# Allegro board SG2042_EVB_V1_1.brd (continued)
## Routing (per net, layer and track width the routed paths; a pad name or vN(x,y) marks a point on that pad's centre or on a via; arc(x,y) is an arc through that point) (continued)
  ART03 w0.147: 135.14,76.65 135.14,63.97 132.92,61.75 132.92,60.76 105.09,32.93 105.09,30.79 97.23,22.94 46.45,22.94 29.16,40.23 24.8,40.23 22.8,42.23 16.63,42.23 16.05,42.81 16.05,44.15 16.47,44.57 16.98,44.57 17.12,44.7
PCIE1_TXP[14]: length 2.2
  TOP w0.152: J1104.B74 20.08,40.7 C438.2
PCIE1_TXP[14]_L: length 171.2
  TOP w0.254: 17.12,40.7 C438.1
  ART03 w0.112: 136.14,76.65 136.14,76.67 136.07,76.75 136.07,84.1 136.18,84.21 136.36,84.21 136.47,84.1 U1.BL27
  ART03 w0.147: 136.14,76.65 136.14,63.23 134.15,61.24 134.15,60.25 106.31,32.42 106.31,30.29 97.74,21.71 43.68,21.71 29.16,36.23 24.8,36.23 22.8,38.23 16.63,38.23 16.05,38.81 16.05,40.15 16.47,40.57 16.98,40.57 17.12,40.7
PCIE1_TXP[15]: length 2.2
  TOP w0.152: C442.2 20.08,36.7 J1104.B78
PCIE1_TXP[15]_L: length 174.2
  TOP w0.254: 17.12,36.7 C442.1
  ART03 w0.112: U1.BJ28 137.47,86.1 137.36,86.21 137.18,86.21 137.07,86.1 137.07,76.75 137.14,76.67 137.14,76.65
  ART03 w0.147: 17.12,36.7 16.98,36.57 16.47,36.57 16.05,36.15 16.05,34.31 16.63,33.73 23.72,33.73 25.72,31.73 31.29,31.73 42.54,20.48 98.25,20.48 107.54,29.78 107.54,31.91 135.38,59.74 135.38,60.73 137.14,62.5 137.14,76.65
PCIE_CLK_3.3V: length 52.5
  TOP w0.254: U17.35 v1(140.14,15.85) ; U17.12 v1(142.14,22.96) ; R272.1 v1(136.86,5.41) R276.2 ; v1(134.98,13.21) C1156.2 Y2.6 ; U17.39 v1(142.14,15.85) ; U17.6 v1(143.94,19.66) ; U17.28 v1(136.83,18.16) ; U17.37 v1(141.14,15.85) ; U17.3 v1(143.94,18.16) ; U17.25 v1(136.83,19.66) ; U17.32 v1(138.64,15.85)
  BOTTOM w0.381: C1159.2 C1160.2 142.14,15.85 v1(142.14,15.85) ; C1159.2 C1158.2 ; C1159.2 141.15,15.86 v1(141.14,15.85) ; C1163.2 142.93,22.33 143.31,21.95 C1162.2 ; C1163.2 141.64,22.33 141.26,22.71 141.26,24.16 141.03,24.38 R2111.1 R2113.1 139.09,24.43 FB12.2 137.46,24.26 C1164.2 ; C1163.2 142.14,22.96 v1(142.14,22.96) ; 137.46,16.48 C1157.2 ; 137.46,16.48 C1165.2 ; 137.46,16.48 134.98,14 v1(134.98,13.21) 136.86,11.33 v1(136.86,5.41) ; C1157.2 138.63,15.85 v1(138.64,15.85) ; C1157.2 C1158.2 ; C1165.2 136.84,18.16 v1(136.83,18.16) ; C1165.2 C1164.2 ; v1(143.94,19.66) 143.94,19.66 C1162.2 ; C1164.2 136.83,19.66 v1(136.83,19.66) ; C1158.2 140.13,15.85 v1(140.14,15.85) ; C1162.2 C1161.2 143.94,18.16 v1(143.94,18.16)
PCIE_REFCLK_IN_N: length 2.6
  TOP w0.091: R2108.2 139.47,23.93 R2116.2 139.73,23.62 139.73,22.91 139.64,22.82 U17.17
PCIE_REFCLK_IN_P: length 2.6
  TOP w0.091: R2107.2 140.34,23.93 R2115.2 140.06,23.6 140.06,22.89 140.14,22.82 U17.16
PCIE_REFCLK_M: length 2.6
  TOP w0.091: U17.33 139.14,15.99 139.22,15.91 139.22,15.19 R2118.2 138.96,14.88 R278.1
PCIE_REFCLK_P: length 2.7
  TOP w0.091: R277.1 139.83,14.88 R2117.2 139.55,15.21 139.55,15.91 139.64,15.99 U17.34
PG_DDR01_VDDQ_1V2: length 63
  TOP w0.102: R1357.2 v1(230.23,203.38) 229.76,203.84 U53.16 ; R2070.2 v1(270.99,192.28)
  ART03 w0.102: v1(230.23,203.38) 230.86,204.01 237.55,204.01 242.28,208.74 266.78,208.74 v1(268.07,210.03)
  ART10 w0.102: v1(270.99,192.28) 268.5,194.77 268.5,209.6 v1(268.07,210.03)
PG_DDR01_VPP_2V5: length 10.8
  TOP w0.254: R459.1 v1(214.07,60.33) ; U49.8 217.95,66.36 v1(218.06,66.47)
  ART10 w0.254: v1(218.06,66.47) 217.5,65.91 214.76,65.91 214.07,65.23 v1(214.07,60.33)
PG_DDR23_VDDQ_1V2: length 60.7
  TOP w0.102: R2071.2 v1(270.99,191.41) ; R1356.2 v1(233.02,203.38) 232.46,203.38 231.36,204.48 U53.20
  ART03 w0.102: v1(268.07,209.17) 267.44,208.53 242.36,208.53 237.64,203.81 233.45,203.81 v1(233.02,203.38)
  ART10 w0.102: v1(268.07,209.17) 268.07,194.34 v1(270.99,191.41)
PG_DDR23_VPP_2V5: length 10.9
  TOP w0.254: 54.31,60.83 v1(54.31,60.22) ; U58.8 58.18,66.26 v1(58.29,66.37)
  ART10 w0.254: v1(54.31,60.22) 54.31,65.25 54.99,65.94 57.86,65.94 v1(58.29,66.37)
PG_DDR_VDD_0V8: length 261.7
  TOP w0.102: R2079.2 v1(270.99,182.78) ; R1363.2 v1(54.08,197.49) 54.24,197.65 U37.20
  ART03 w0.102: v1(54.08,197.49) 52.81,197.49 51.25,199.04 51.25,202.71 56.87,208.33 82.28,208.33 83.24,209.3 85.07,209.3 85.63,208.74 199.84,208.74 203.15,212.04 226.7,212.04 227.79,213.13 252.57,213.13 252.9,212.8 266.29,212.8 v1(266.47,212.62)
  ART10 w0.102: v1(270.99,182.78) 266.09,187.68 266.09,212.24 v1(266.47,212.62)
PG_VDD_PCIE_D_0V8: length 9.2
  TOP w0.254: R676.1 v1(138.71,35.46) ; v1(144.86,31.47) 144.74,31.58 U60.8
  ART10 w0.254: v1(144.86,31.47) 142.7,31.47 v1(138.71,35.46)
PG_VDDC: length 258.4
  TOP w0.102: R2078.2 v1(270.99,183.64) ; R1364.2 v1(54.08,199.42) 54.25,199.25 U37.16
  ART03 w0.102: v1(266.47,211.76) 265.84,212.39 252.73,212.39 252.4,212.72 227.96,212.72 226.87,211.63 203.31,211.63 200.01,208.33 85.46,208.33 84.9,208.89 83.41,208.89 82.45,207.92 57.04,207.92 51.66,202.54 51.66,199.21 51.89,198.97 53.64,198.97 v1(54.08,199.42)
  ART10 w0.102: v1(270.99,183.64) 266.29,188.34 266.29,211.58 v1(266.47,211.76)
PHY0_ACT_LED: length 11.6
  TOP w0.102: R84.2 21.82,195.61 v1(21.97,195.76) ; R88.2 v1(14.61,200.66)
  ART10 w0.102: v1(14.61,200.66) 17.4,200.66 21.97,196.09 v1(21.97,195.76)
  BOTTOM w0.102: v1(21.97,195.76) 22.02,195.81 U7.32
PHY0_AVDD33: length 11.2
  TOP w0.381: C557.1 23.34,200.36 23.87,200.89 26.72,200.89 27.69,199.92 C558.1 27.9,199.42 v1(28.31,199.01) ; C557.1 C559.1 22.02,199.47 v1(21.97,199.42) ; C557.1 FB4.2
  BOTTOM w0.203: U7.40 22.38,199.01 v1(21.97,199.42) ; U7.11 v1(28.31,199.01)
PHY0_CFG_LDO0: length 21.5
  TOP w0.102: v1(21.3,196.21) 20.95,195.86 R85.2 ; R90.2 v1(35.28,200.66)
  ART03 w0.102: v1(21.3,196.21) 21.3,199.78 22.58,201.07 34.87,201.07 v1(35.28,200.66)
  BOTTOM w0.102: U7.33 v1(21.3,196.21)
PHY0_CFG_LDO1: length 2.2
  TOP w0.381: R70.2 22.2,196.88 v1(21.97,196.65) 21.74,196.88 R71.1
  BOTTOM w0.203: U7.34 22.01,196.61 v1(21.97,196.65)
PHY0_DVDD33: length 14.9
  TOP w0.381: FB4.1 20.08,200.29 20.08,198.87 20.55,198.4 R71.2 20.26,196.58 20.26,193.21 21.97,191.49 FB3.1 23.11,191.72 C3174.1 C3175.1 23.68,193.42 v1(23.75,193.36)
  BOTTOM w0.203: U7.29 v1(23.75,193.36)
PHY0_DVDDRG: length 13
  TOP w0.203: R73.2 R83.2 R81.2 R79.2 R77.2 R75.2 24.08,193.07 24.2,193.19 v1(24.2,194.04) ; C552.1 27.15,194.67 27.58,195.1 R69.2
  TOP w0.381: v1(24.2,194.04) 24.61,194.45 C550.1 ; C550.1 C549.1 ; C550.1 C551.1 C552.1
  BOTTOM w0.203: U7.28 24.12,194.73 24.12,194.13 v1(24.2,194.04)
PHY0_REGOUT: length 8.9
  TOP w0.381: v1(24.15,200.37) 24.28,200.23 C561.1 C562.1 C563.1 26.01,200.23 v1(26.15,200.37) ; v1(23.19,194.04) 22.89,194.35 C564.1 ; 27.56,193.95 27.04,193.95 v1(26.95,194.04) ; v1(21.97,198.2) 22.43,197.74 C560.1
  BOTTOM w0.203: U7.38 21.98,198.21 v1(21.97,198.2) ; U7.30 23.35,194.2 v1(23.19,194.04) ; U7.3 v1(24.15,200.37) ; U7.21 v1(26.95,194.04) ; U7.8 v1(26.15,200.37)
PHY0_RGMII0_IRQ: length 17.3
  TOP w0.102: R2209.2 v1(14.88,181.99)
  BOTTOM w0.102: U7.31 22.7,192.95 14.88,185.14 v1(14.88,181.99)
PHY0_RSET: length 1.5
  TOP w0.102: v1(21.97,198.81) 22.17,198.6 R58.2
  BOTTOM w0.102: v1(21.97,198.81) 22.17,198.61 U7.39
PHY0_XTAL_IN: length 7.1
  BOTTOM w0.102: Y1.1 16.57,196.28 17.6,197.31 19.05,197.31 C574.1 20,197.24 22.03,197.24 22.2,197.41 U7.36
PHY0_XTAL_OUT: length 2.4
  BOTTOM w0.102: U7.37 22.22,197.81 22.12,197.71 R95.1 R2300.2
PHY_MDI0+: length 9.6
  TOP w0.091: v1(19.1,203.23) 19.26,203.39 19.26,204.18 19.17,204.27 18.89,204.27 18.8,204.36 T1.2
  BOTTOM w0.091: v1(19.1,203.23) 19.26,203.06 19.26,202.31 20.83,200.74 23.17,200.74 23.38,200.53 23.38,200.28 23.35,200.24 U7.1
PHY_MDI0-: length 9.6
  TOP w0.091: v1(19.77,203.23) 19.6,203.39 19.6,204.18 19.69,204.27 19.97,204.27 20.07,204.36 T1.3
  BOTTOM w0.091: v1(19.77,203.23) 19.6,203.06 19.6,202.45 20.97,201.07 23.31,201.07 23.71,200.67 23.71,200.28 23.75,200.24 U7.2
PHY_MDI1+: length 7.2
  TOP w0.091: T1.5 22.61,204.36 22.7,204.27 22.98,204.27 23.07,204.18 23.07,203.39 v1(22.91,203.23)
  BOTTOM w0.091: v1(22.91,203.23) 23.07,203.06 23.07,202.3 24.58,200.8 24.58,200.28 24.55,200.24 U7.4
PHY_MDI1-: length 7.2
  TOP w0.091: v1(23.58,203.23) 23.41,203.39 23.41,204.18 23.5,204.27 23.78,204.27 23.88,204.36 T1.6
  BOTTOM w0.091: v1(23.58,203.23) 23.41,203.06 23.41,202.44 24.91,200.94 24.91,200.28 24.95,200.24 U7.5
PHY_MDI2+: length 7.2
  TOP w0.091: T1.8 26.42,204.36 26.51,204.27 26.79,204.27 26.88,204.18 26.88,203.39 v1(26.72,203.23)
  BOTTOM w0.091: v1(26.72,203.23) 26.88,203.06 26.88,202.44 25.38,200.94 25.38,200.28 25.35,200.24 U7.6
PHY_MDI2-: length 7.2
  TOP w0.091: T1.9 27.69,204.36 27.59,204.27 27.31,204.27 27.22,204.18 27.22,203.39 v1(27.39,203.23)
  BOTTOM w0.091: U7.7 25.75,200.24 25.71,200.28 25.71,200.8 27.22,202.3 27.22,203.06 v1(27.39,203.23)
PHY_MDI3+: length 9.5
  TOP w0.091: T1.11 30.23,204.36 30.32,204.27 30.6,204.27 30.69,204.18 30.69,203.39 v1(30.53,203.23)
  BOTTOM w0.091: v1(30.53,203.23) 30.69,203.06 30.69,202.44 29.34,201.09 27.12,201.09 26.58,200.54 26.58,200.28 26.55,200.24 U7.9
PHY_MDI3-: length 9.5
  TOP w0.091: T1.12 31.5,204.36 31.4,204.27 31.12,204.27 31.03,204.18 31.03,203.39 v1(31.2,203.23)
  BOTTOM w0.091: U7.10 26.95,200.24 26.91,200.28 26.91,200.4 27.26,200.75 29.48,200.75 31.03,202.3 31.03,203.06 v1(31.2,203.23)
PLL_CLK_IN_DDR_L: length 67.8
  TOP w0.102: U1.AF48 v1(157.97,109.15) ; R124.2 v1(179.02,163.88)
  ART03 w0.102: v1(179.02,163.88) 179.02,163.35 165,149.33 165,112.78 163.87,111.65 158.76,111.65 158.47,111.36 158.47,109.65 v1(157.97,109.15)
PLL_CLK_IN_DDR_R: length 51.9
  TOP w0.102: U1.AF9 v1(117.97,109.15) ; R144.2 v1(115.62,151.26)
  ART03 w0.102: v1(115.62,151.26) 110.95,146.58 110.95,112.78 112.08,111.65 117.18,111.65 117.47,111.36 117.47,109.65 v1(117.97,109.15)
PLL_CLK_IN_MAIN: length 22.2
  TOP w0.102: U1.B31 139.97,133.15 139.97,141.02 145.62,146.66 R186.2
PLL_LOCKO: length 0.9
  TOP w0.102: R593.2 R580.2
PS_ON#: length 227.8
  TOP w0.102: v1(120.27,224.08) R304.2 C1171.1 SW201.1 ; Q2008.3 v1(242.57,195.58) 242.8,195.81 R2441.1
  ART03 w0.102: v1(120.27,235.66) 120.12,235.81 77.76,235.81 ATXPWR1.16 ; v1(120.27,224.08) 125.63,229.44 136.56,229.44 139.43,232.31 v1(242.57,232.31)
  ART10 w0.102: v1(120.27,235.66) v1(120.27,224.08) ; v1(242.57,195.58) v1(242.57,232.31)
PWM0_SG2042: length 19.5
  TOP w0.102: R2469.1 v1(17.14,194.01) ; J2020.12 R132.1 v1(9.27,181.51)
  BOTTOM w0.102: v1(17.14,194.01) 17.14,191.36 16.29,190.51 16.29,189 9.27,181.98 v1(9.27,181.51)
PWM1: length 133
  TOP w0.102: v1(55.1,202.77) 55.84,202.03 U37.12
  TOP w0.203: U34.34 v1(178.43,201.57)
  ART03 w0.102: v1(55.1,202.77) 54.52,203.35 54.52,204.83 57.21,207.52 173.54,207.52 178.43,202.62 v1(178.43,201.57)
PWM1_DDR: length 155.8
  TOP w0.102: U53.12 v1(227.1,206.13)
  TOP w0.203: U54.34 v1(220.02,74.4)
  ART10 w0.102: v1(220.02,74.4) 220.57,74.96 221.49,74.96 222.53,76 222.53,80.79 225.4,83.66 225.4,96.98 230.02,101.61 230.02,119.42 236.55,125.95 236.55,188.99 237.13,189.58 237.13,191.01 238.53,192.4 238.53,195.86 237.41,196.98 237.41,203.86 238.43,204.88 238.43,207.03 238.02,207.44 235.76,207.44 233.79,205.47 227.76,205.47 v1(227.1,206.13)
PWM1_SG2042: length 2.5
  TOP w0.102: J2020.14 R135.1
PWM2: length 122
  TOP w0.102: U37.11 56.24,202.13 55.69,202.68 55.69,203.91 v1(55.1,204.5)
  TOP w0.203: U35.34 v1(168.37,201.57)
  ART03 w0.102: v1(55.1,204.5) 55.1,204.83 57.38,207.11 163.89,207.11 168.37,202.62 v1(168.37,201.57)
PWM2_DDR: length 346.2
  TOP w0.102: U53.1 227.19,210.53 224.71,213 v1(224.71,221.06)
  TOP w0.203: U55.34 v1(55.48,75.01)
  ART03 w0.102: v1(224.71,221.06) 224.54,221.23 213.69,221.23 212.14,219.68 201.75,219.68 200.9,218.83 198.41,218.83 197.55,219.68 178.03,219.68 172.37,214.02 114.08,214.02 112.78,215.32 105.87,215.32 104.58,214.02 87.83,214.02 87.27,214.58 81.05,214.58 80.44,213.97 47.29,213.97 45.18,211.86 v1(43.74,211.86)
  ART10 w0.102: v1(55.48,75.01) 56.03,75.56 56.95,75.56 57.99,76.61 57.99,83.71 42.24,99.46 42.24,179.36 41.58,180.02 41.58,208.42 43.74,210.58 v1(43.74,211.86)
PWM2_SG2042: length 2.5
  TOP w0.102: J2020.16 R134.1
PWM3: length 110.9
  TOP w0.102: U37.10 56.64,202.4 v1(56.27,202.77)
  TOP w0.203: U36.34 v1(158.31,201.57)
  ART03 w0.102: v1(56.27,202.77) 55.69,203.35 55.69,204.84 57.55,206.71 154.23,206.71 158.31,202.62 v1(158.31,201.57)
PWM3_SG2042: length 2.5
  TOP w0.102: J2020.18 R137.1
PWM4: length 99.8
  TOP w0.102: v1(56.27,204.5) 56.85,203.91 56.85,202.66 57.04,202.47 U37.9
  TOP w0.203: U39.34 v1(148.26,201.57)
  ART03 w0.102: v1(148.26,201.57) 148.26,202.62 144.58,206.3 57.84,206.3 56.27,204.73 v1(56.27,204.5)
PWM5: length 88.8
  TOP w0.102: U37.8 v1(57.44,202.77)
  TOP w0.203: U40.34 v1(138.2,201.57)
  ART03 w0.102: v1(138.2,201.57) 138.2,202.62 134.93,205.89 58.01,205.89 56.85,204.74 56.85,203.35 v1(57.44,202.77)
PWM6: length 77.9
  TOP w0.102: U37.7 57.84,202.47 58.02,202.65 58.02,203.91 v1(57.44,204.5)
  TOP w0.203: U38.34 v1(128.14,201.57)
  ART03 w0.102: v1(128.14,201.57) 128.14,202.62 125.28,205.49 58.2,205.49 57.44,204.73 v1(57.44,204.5)
PWM7: length 67
  TOP w0.102: v1(58.61,202.77) 58.24,202.4 U37.6
  TOP w0.203: U42.34 v1(118.08,201.57)
  ART03 w0.102: v1(118.08,201.57) 118.08,202.62 115.63,205.08 58.37,205.08 58.02,204.74 58.02,203.35 v1(58.61,202.77)
PWM8: length 55.9
  TOP w0.102: U37.5 58.64,202.12 59.19,202.68 59.19,203.91 v1(58.61,204.5)
  TOP w0.203: U41.34 v1(108.02,201.57)
  ART03 w0.102: v1(58.61,204.5) 58.79,204.67 105.97,204.67 108.02,202.62 v1(108.02,201.57)
PWM9: length 44.7
  TOP w0.102: v1(59.78,202.77) 59.04,202.03 U37.4
  TOP w0.203: U44.34 v1(97.96,201.57)
  ART03 w0.102: v1(97.96,201.57) 97.96,202.62 96.32,204.27 59.53,204.27 59.21,203.94 59.21,203.34 v1(59.78,202.77)
PWM10: length 326
  TOP w0.102: U37.1 60.24,202.06 v1(60.94,202.77)
  TOP w0.203: U43.34 v1(125.4,14.96)
  ART03 w0.102: v1(37.97,191.97) 38.4,191.54 50.68,191.54 54.06,194.92 54.23,194.92 60.06,194.92 62.31,197.16 62.31,201.41 v1(60.94,202.77)
  ART10 w0.102: v1(125.4,14.96) 124.13,13.69 112.15,13.69 110.4,15.44 31.81,15.44 11.91,35.34 11.91,111.27 12.85,112.21 12.85,129.43 21.87,138.45 21.87,175.57 37.97,191.68 v1(37.97,191.97)
PWM_SG2042: length 28.8
  TOP w0.102: v1(16.94,189.6) U2011.3 16.94,192.38 R2469.2
  ART10 w0.102: J2020.11 J2020.13 J2020.15 J2020.17
  BOTTOM w0.102: J2020.11 5.51,179.63 8.31,179.63 16.94,188.26 v1(16.94,189.6)
PWM_SG2042_H: length 300.7
  TOP w0.102: R2272.2 R574.1 v1(144.83,7.54) ; R2427.2 v1(17.48,181.99)
  ART10 w0.102: v1(144.83,7.54) 144.83,11.43 144.35,11.91 111.41,11.91 109.66,13.67 31.07,13.67 10.13,34.6 10.13,112 11.07,112.94 11.07,131.81 16.69,137.42 16.69,152.98 17.35,153.64 17.35,175.27 17.48,175.4 v1(17.48,181.99)
PWR_BUTTON: length 381.1
  TOP w0.102: U1.H41 v1(150.97,127.15) ; T4.1 18.24,192.48 U2011.1 v1(18.24,189.6) ; R2301.1 6.1,209.6 K1.2 K1.4 6.11,198.94 C3266.1 v1(6.1,198.32)
  ART03 w0.102: v1(209.02,222.43) 208.46,221.87 200.25,221.87 199.26,222.86 175.92,222.86 168.5,215.44 114.67,215.44 113.35,216.76 105.31,216.76 103.99,215.44 88.42,215.44 87.86,216 80.46,216 79.85,215.39 41.38,215.39 37.85,211.86 v1(36.45,211.86)
  ART10 w0.102: v1(6.1,198.32) 11.73,192.68 13.11,192.68 15.01,190.78 17.06,190.78 v1(18.24,189.6) 18.44,189.41 20.59,189.41 21.63,190.45 29.01,190.45 36.45,197.89 v1(36.45,211.86) ; v1(209.02,222.43) 209.02,211.84 208.61,211.43 208.61,201.95 209.78,200.78 209.78,187.54 210.72,186.6 210.72,183.95 203.48,176.71 196.8,176.71 176.38,156.29 165.63,156.29 148.86,139.51 148.86,134.3 150.59,132.57 150.59,127.53 v1(150.97,127.15)
PWR_BUTTON_H: length 289.4
  TOP w0.102: U2009.8 v1(250.25,194.35) ; R2426.2 v1(18.34,181.99)
  ART03 w0.102: v1(38.07,213.49) 40.79,216.2 79.51,216.2 81.85,218.54 93.98,218.54 94.54,219.1 112.16,219.1 115.01,216.26 168.17,216.26 175.58,223.67 242.88,223.67 243.75,222.81 246.51,222.81 v1(246.89,222.43)
  ART10 w0.102: v1(246.89,222.43) 246.48,222.02 246.48,213 246.94,212.55 246.94,202.08 250.8,198.22 250.8,194.9 v1(250.25,194.35) ; v1(38.07,213.49) 38.07,212.09 37.26,211.27 37.26,197.55 29.35,189.64 25.98,189.64 v1(18.34,181.99)
PWR_OK_C: length 229.1
  TOP w0.102: R2443.1 v1(261.49,178.36) ; LED1.A v1(250.37,238.42)
  ART03 w0.102: ATXPWR1.8 94.53,236.04 123.11,236.04 127.1,232.05 134.44,232.05 136.09,233.71 245.66,233.71 v1(250.37,238.42)
  ART10 w0.102: v1(261.49,178.36) 260.68,179.17 260.68,180.06 255.6,185.14 255.6,195.72 250.37,200.94 v1(250.37,238.42)
RGMII0_IRQ: length 159.2
  TOP w0.089: 130.81,133.91 130.87,133.85 130.87,132.25 U1.C22
  TOP w0.102: v1(56.26,187.73) 56.29,187.71 66.4,187.71 70.64,183.46 80.09,183.46 92.1,171.45 93.18,171.45 107.05,157.58 125.74,157.58 129.31,154.01 129.31,143.06 130.81,141.57 130.81,133.91 ; v1(14.71,194.46) 14.71,192.15 14.99,191.87 U2011.6
  ART03 w0.102: v1(56.26,187.73) 55.37,186.84 25.91,186.84 18.29,194.46 v1(14.71,194.46)
RGMII0_MDC: length 37.2
  TOP w0.102: v1(43.97,196.44) 42.93,195.4 42.93,192.3 50.27,184.96 55.04,184.96 R1267.1
  ART03 w0.102: v1(29.84,198.5) 33.48,198.5 33.9,198.08 42.33,198.08 v1(43.97,196.44)
  BOTTOM w0.102: 29.84,197.89 v1(29.84,198.5)
RGMII0_MDIO: length 39.2
  TOP w0.102: v1(43.97,195.58) 43.23,194.84 43.23,192.43 50.39,185.27 56.85,185.27 R1268.1 ; R69.1 27.75,197.81 v1(28.31,197.81)
  ART03 w0.102: v1(43.97,195.58) 41.74,197.81 v1(28.31,197.81)
  BOTTOM w0.102: U7.14 v1(28.31,197.81)
RGMII0_REFCLKO: length 45.8
  TOP w0.102: R2299.1 54.18,186.69 v1(52.83,188.04)
  ART03 w0.102: v1(52.83,188.04) 52.04,187.25 26.31,187.25 20.37,193.19 20.37,199.14 v1(20.65,199.42)
  BOTTOM w0.102: R2300.1 v1(20.65,199.42)
RGMII0_RST_H: length 332.2
  TOP w0.102: T43.1 28.98,198.62 v1(28.99,198.61) 28.94,198.55 C548.1 ; R2208.2 v1(294.21,171.83)
  ART03 w0.102: v1(287.2,214.5) 284.53,214.5 282.03,217 282.03,217.2 275.18,224.05 175.6,224.05 168.06,216.51 115.11,216.51 112.27,219.35 94.44,219.35 93.88,218.8 81.75,218.8 79.41,216.46 40.49,216.46 36.03,212 36.03,200.85 34.06,198.88 29.27,198.88 v1(28.99,198.61)
  ART10 w0.102: v1(294.21,171.83) 294.87,172.49 294.87,198.41 288.16,205.12 288.16,209.37 286.89,210.64 286.89,214.2 v1(287.2,214.5)
  BOTTOM w0.102: U7.12 v1(28.99,198.61)
RGMII0_RXC: length 145.4
  TOP w0.102: U1.A20 129.47,141.61 128.4,142.68 128.4,153.63 125.36,156.67 106.67,156.67 92.8,170.54 91.72,170.54 79.71,182.55 70.26,182.55 66.63,186.18 53.82,186.18 v1(51.97,188.04) ; 24.08,190.63 v1(24.08,191.24) R75.1
  ART03 w0.102: v1(24.08,191.24) 25.52,189.8 25.66,189.8 26.04,190.18 26.18,190.18 26.36,190 26.36,189.85 25.98,189.48 25.98,189.33 26.8,188.52 26.94,188.52 27.28,188.86 27.42,188.86 27.6,188.68 27.6,188.53 27.15,188.08 27.15,187.94 27.33,187.76 27.47,187.76 27.93,188.21 28.07,188.21 28.63,187.66 51.59,187.66 v1(51.97,188.04)
  BOTTOM w0.102: R75.1 v1(24.08,191.24)
RGMII0_RXCTRL: length 145.4
  TOP w0.089: 129.14,133.91 129.08,133.85 129.08,133.04 U1.B20
  TOP w0.102: 24.94,190.63 v1(24.94,191.24) R77.1 ; v1(51.1,188.04) 53.26,185.88 66.5,185.88 70.13,182.25 79.58,182.25 91.6,170.23 92.68,170.23 106.55,156.36 125.23,156.36 128.09,153.5 128.09,142.55 129.14,141.51 129.14,133.91
  ART03 w0.102: v1(51.1,188.04) 32.43,188.04 32.32,188.14 32.32,188.47 32.22,188.57 31.97,188.57 31.87,188.47 31.87,188.14 31.77,188.04 31.51,188.04 31.41,188.14 31.41,188.47 31.31,188.57 31.05,188.57 30.95,188.47 30.95,188.14 30.85,188.04 30.6,188.04 30.5,188.14 30.5,188.47 30.39,188.57 30.14,188.57 30.04,188.47 30.04,188.14 29.94,188.04 29.68,188.04 29.58,188.14 29.58,188.47 29.48,188.57 29.23,188.57 29.12,188.47 29.12,188.14 29.02,188.04 28.7,188.04 26.05,190.69 25.49,190.69 v1(24.94,191.24)
  BOTTOM w0.102: R77.1 v1(24.94,191.24)
RGMII0_RXD0: length 145.1
  TOP w0.102: 25.81,190.63 v1(25.81,191.24) R79.1 ; U1.A23 132.47,142.06 130.84,143.69 130.84,154.64 126.37,159.11 107.69,159.11 93.82,172.97 92.73,172.97 80.72,184.99 71.27,184.99 66.27,189.99 55.47,189.99 55.09,190.37 54.38,190.37 v1(54,189.99)
  ART03 w0.102: v1(25.81,191.24) 26.19,191.62 29.79,191.62 30.27,191.14 30.41,191.14 30.61,191.34 30.76,191.34 30.93,191.16 30.93,191.02 30.74,190.82 30.74,190.68 31.42,189.99 v1(54,189.99)
  BOTTOM w0.102: R79.1 v1(25.81,191.24)
RGMII0_RXD1: length 141.8
  TOP w0.102: U1.A22 131.47,141.76 129.92,143.31 129.92,154.26 125.99,158.19 107.31,158.19 93.44,172.06 92.36,172.06 80.34,184.07 70.89,184.07 66.27,188.7 56.21,188.7 56.08,188.57 55.42,188.57 v1(55.02,188.98) ; 26.67,190.63 v1(26.67,191.24) R81.1
  ART03 w0.102: v1(55.02,188.98) 29.18,188.98 27.46,190.7 27.2,190.7 v1(26.67,191.24)
  BOTTOM w0.102: R81.1 v1(26.67,191.24)
RGMII0_RXD2: length 144.7
  TOP w0.089: U1.C23 131.87,132.25 131.87,133.85 131.81,133.91
  TOP w0.102: 131.81,133.91 131.81,141.86 130.23,143.44 130.23,154.39 126.12,158.5 107.43,158.5 93.56,172.36 92.48,172.36 80.47,184.38 71.02,184.38 66.4,189 55.91,189 v1(55.88,188.98) ; 27.53,190.63 v1(27.53,191.24) R83.1
  ART03 w0.102: v1(27.53,191.24) 29.41,189.36 29.81,189.36 29.91,189.46 29.91,189.97 30.01,190.07 30.27,190.07 30.37,189.97 30.37,189.46 30.47,189.36 55.5,189.36 v1(55.88,188.98)
  BOTTOM w0.102: R83.1 v1(27.53,191.24)
RGMII0_RXD3: length 138
  TOP w0.102: R73.1 v1(28.4,191.24) 28.4,190.63 ; U1.D23 v1(131.97,131.15)
  ART03 w0.102: v1(54.86,189.99) 54.81,189.99 54.43,189.61 31.24,189.61 29.62,191.24 v1(28.4,191.24)
  ART10 w0.102: v1(54.86,189.99) 54.89,190.02 55.4,190.02 58.93,186.49 58.93,182.4 60.93,180.39 79.84,180.39 107.44,152.79 117.6,152.79 131.97,138.42 v1(131.97,131.15)
  BOTTOM w0.102: R73.1 v1(28.4,191.24)
RGMII0_TXC: length 45.9
  TOP w0.102: R1214.1 54.99,187.2 53.72,188.47 48.49,188.47 44.4,192.56 44.4,193.27 v1(43.97,193.7)
  ART03 w0.102: v1(43.97,193.7) 34.61,193.7 34.51,193.8 34.51,195.66 34.41,195.76 34.15,195.76 34.05,195.66 34.05,194.41 33.95,194.31 33.69,194.31 33.59,194.41 33.59,195.66 33.49,195.76 33.24,195.76 33.14,195.66 33.14,194.41 33.03,194.31 32.78,194.31 32.68,194.41 32.68,195.66 32.58,195.76 32.32,195.76 32.22,195.66 32.22,194.41 32.12,194.31 31.87,194.31 31.76,194.41 31.76,195.66 31.66,195.76 31.41,195.76 31.31,195.66 31.31,194.41 31.2,194.31 30.95,194.31 30.85,194.41 30.85,195.66 30.75,195.76 29.46,195.76 v1(29.03,195.33)
  BOTTOM w0.102: v1(29.03,195.33) 28.95,195.41 U7.20
RGMII0_TXCTRL: length 37.9
  TOP w0.102: v1(45.72,192.84) 49.07,189.48 R1215.1
  ART03 w0.102: v1(45.72,192.84) 45.26,193.29 33.66,193.29 33.55,193.4 33.55,193.83 33.45,193.93 33.2,193.93 33.1,193.83 33.1,193.4 32.99,193.29 32.74,193.29 32.64,193.4 32.64,193.83 32.54,193.93 32.28,193.93 32.18,193.83 32.18,193.4 32.08,193.29 31.83,193.29 31.72,193.4 31.72,193.83 31.62,193.93 31.37,193.93 31.27,193.83 31.27,193.4 31.17,193.29 30.91,193.29 30.81,193.4 30.81,193.83 30.71,193.93 30.45,193.93 30.35,193.83 30.35,193.4 30.25,193.29 30,193.29 29.9,193.4 v1(29.9,195.33)
  BOTTOM w0.102: v1(29.9,195.33) 29.42,195.81 U7.19
RGMII0_TXD0: length 37.4
  TOP w0.102: R1216.1 58.14,185.57 50.52,185.57 43.54,192.56 43.54,194.13 v1(43.97,194.56)
  ART03 w0.102: v1(29.03,196.19) 29.46,196.62 36.8,196.62 38.86,194.56 v1(43.97,194.56)
  BOTTOM w0.102: v1(29.03,196.19) 29.02,196.21 U7.18
RGMII0_TXD1: length 38.5
  TOP w0.102: v1(44.83,194.56) 45.24,194.97 45.95,194.97 49.91,191.01 R1217.1
  ART03 w0.102: v1(44.83,194.56) 44.4,194.13 37.96,194.13 37.86,194.23 37.86,195.17 37.76,195.28 37.5,195.28 37.4,195.17 37.4,194.23 37.3,194.13 37.05,194.13 36.95,194.23 36.95,195.17 36.84,195.28 36.59,195.28 36.49,195.17 36.49,194.23 36.39,194.13 36.13,194.13 36.03,194.23 36.03,195.17 35.93,195.28 35.68,195.28 35.57,195.17 35.57,194.23 35.47,194.13 35.22,194.13 35.12,194.23 35.12,196.04 34.96,196.19 v1(29.9,196.19)
  BOTTOM w0.102: U7.17 29.48,196.61 v1(29.9,196.19)
RGMII0_TXD2: length 39.4
  TOP w0.102: v1(45.72,194.56) 49.58,190.7 55.19,190.7 55.4,190.5 R1218.1
  ART03 w0.102: v1(45.72,194.56) 45.72,194.57 45.09,195.2 42.75,195.2 42.65,195.3 42.65,196.14 42.55,196.24 42.29,196.24 42.19,196.14 42.19,195.3 42.09,195.2 41.84,195.2 41.73,195.3 41.73,196.14 41.63,196.24 41.38,196.24 41.28,196.14 41.28,195.3 41.18,195.2 40.92,195.2 40.82,195.3 40.82,197.33 40.72,197.43 40.46,197.43 40.36,197.33 40.36,196.67 40.26,196.57 40.01,196.57 39.91,196.67 39.91,197.33 39.8,197.43 29.41,197.43 v1(29.03,197.05)
  BOTTOM w0.102: U7.16 28.98,197.01 v1(29.03,197.05)
RGMII0_TXD3: length 43.5
  TOP w0.102: v1(45.72,193.7) 45.29,193.27 45.29,192.53 48.84,188.98 54.08,188.98 54.86,188.19 R1219.1
  ART03 w0.102: v1(29.9,197.05) 37.46,197.05 37.56,196.95 37.56,196.32 37.66,196.22 37.91,196.22 38.02,196.32 38.02,196.95 38.12,197.05 38.37,197.05 38.47,196.95 38.47,195.35 38.57,195.25 38.83,195.25 38.93,195.35 38.93,196.95 39.03,197.05 39.29,197.05 39.39,196.95 39.39,195.05 39.49,194.94 39.74,194.94 39.84,195.05 39.84,196.01 39.95,196.11 40.2,196.11 40.3,196.01 40.3,195.03 40.39,194.94 44.99,194.94 45.29,194.65 45.29,194.13 v1(45.72,193.7)
  BOTTOM w0.102: U7.15 28.85,197.41 28.87,197.43 29.51,197.43 v1(29.9,197.05)
RTC_I2C_SCL: length 38
  TOP w0.102: R2277.2 v1(294.21,189.66) ; U2001.6 v1(278.63,216.05)
  ART10 w0.102: v1(278.63,216.05) 279.17,215.52 285.12,215.52 286.64,214 286.64,210.54 287.91,209.27 287.91,205.01 293.12,199.8 293.12,190.75 v1(294.21,189.66)
RTC_I2C_SDA: length 38.7
  TOP w0.102: R2278.2 v1(294.21,188.8) ; U2001.5 v1(278.63,214.78)
  ART10 w0.102: v1(294.21,188.8) 292.91,190.09 292.91,199.72 287.71,204.93 287.71,209.18 286.44,210.45 286.44,213.92 285.04,215.32 279.17,215.32 v1(278.63,214.78)
